# Altium PCB 10X SD CARD READER PCB.PcbDoc (part 2 of 4)
Units mm, origin at the board's own origin, x right, y up, seen from the top; angles counter-clockwise.
Board outline 157.35 x 86.61 mm, 6 copper layers (Top Layer, Int1_GND1, Int2 Sig1, Int3_PWR1, Int4_GND2, Bottom Layer), stack 1.538 mm thick; 309 components, 269 nets, 1221 pads, 584 vias.
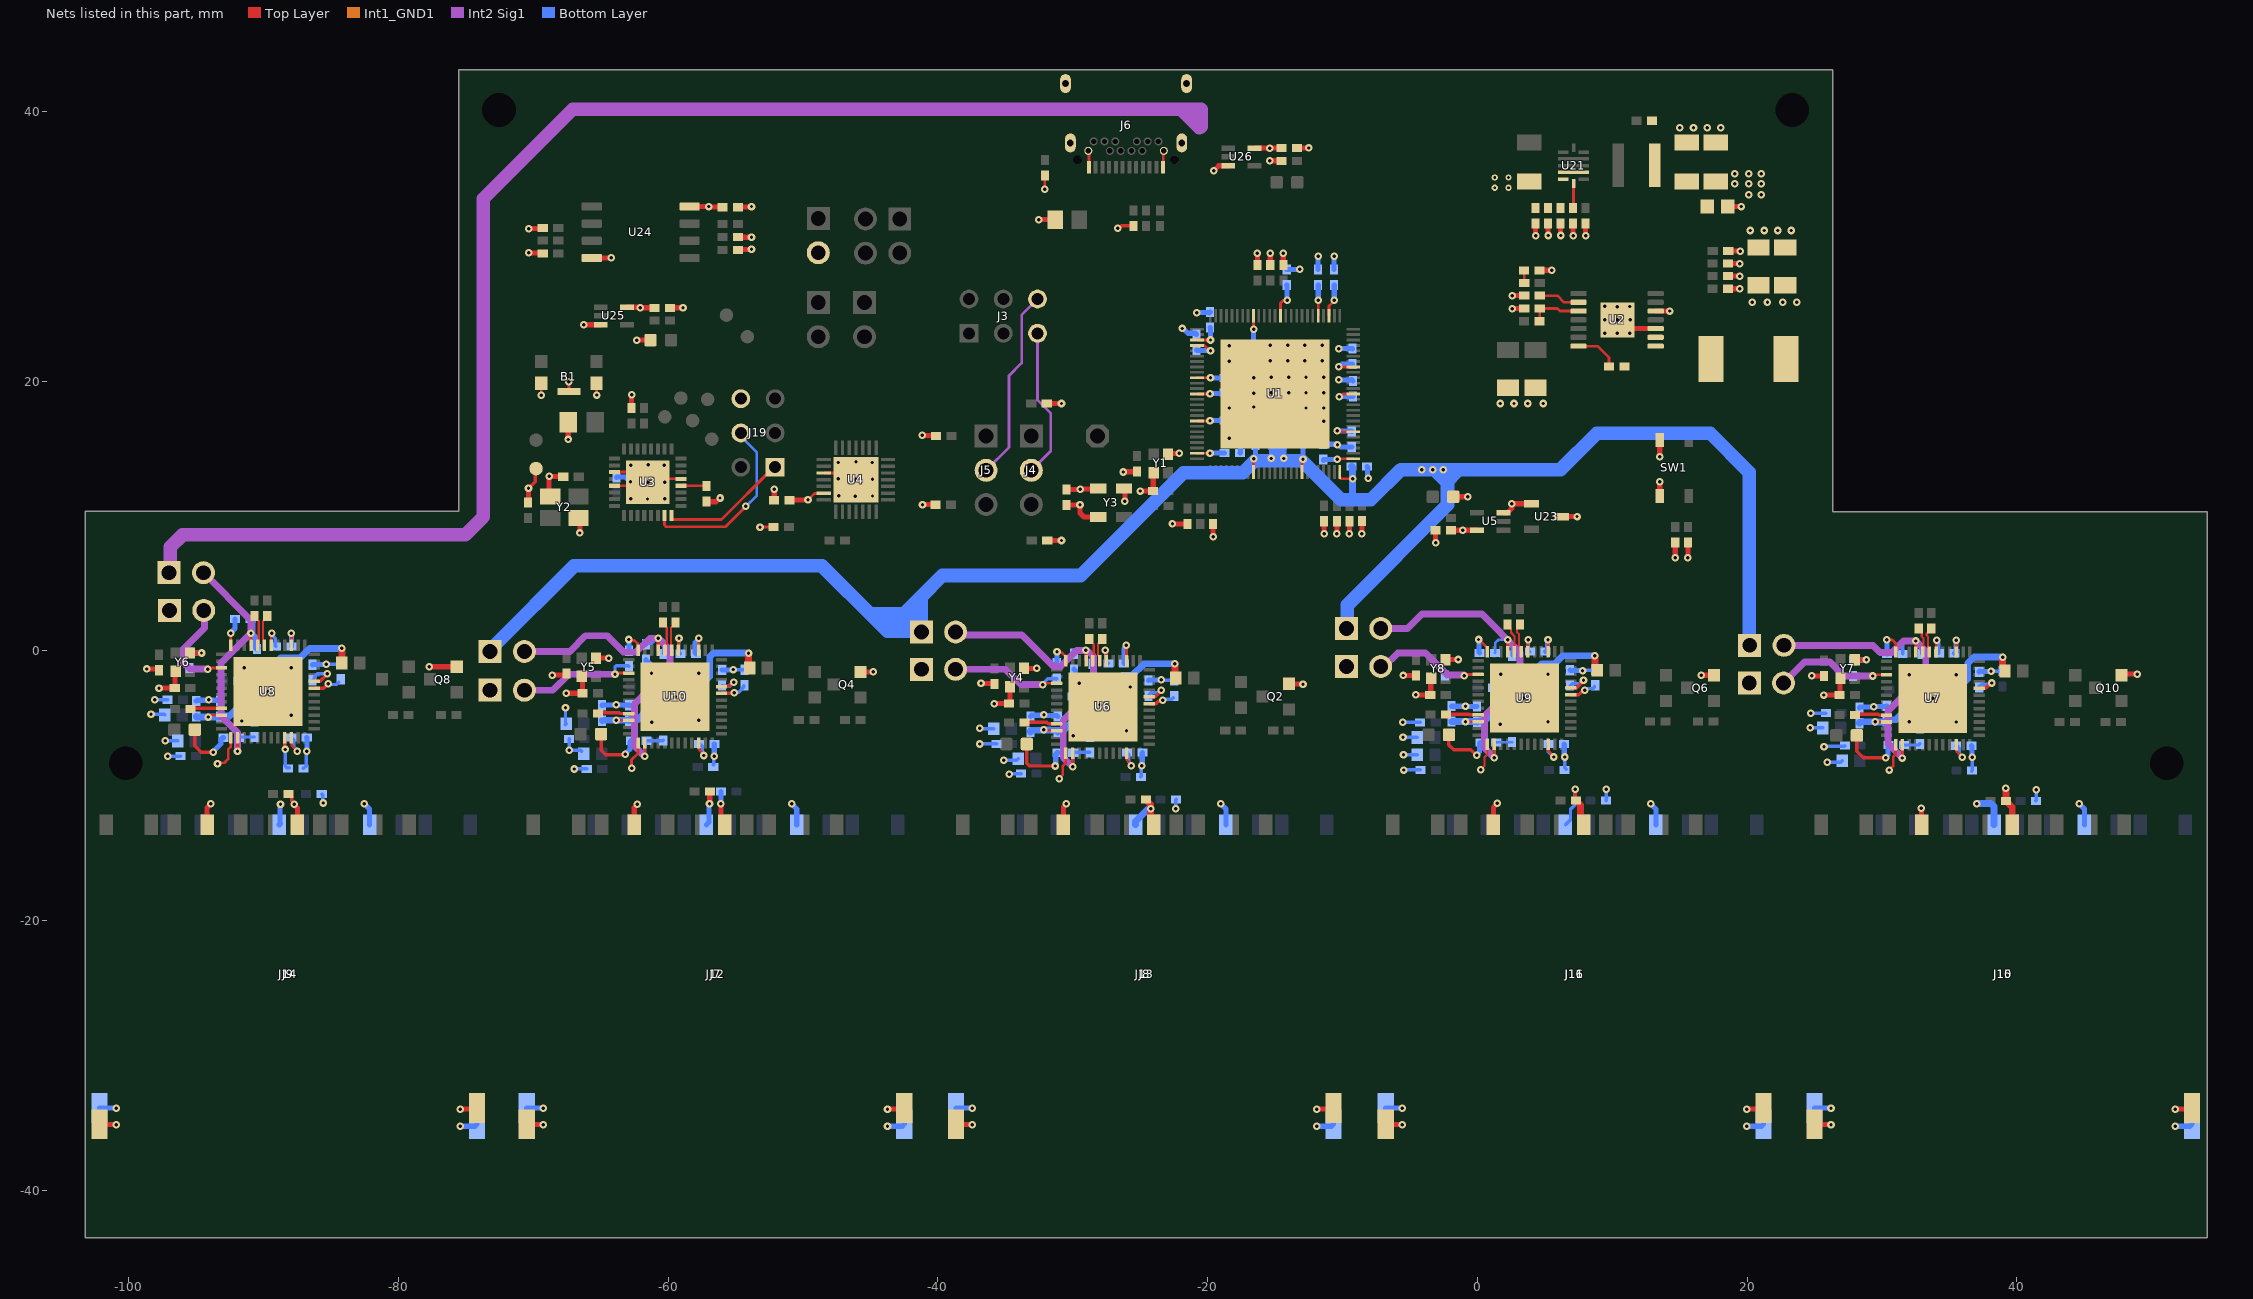
[diagram p6: the nets of this part, all layers, seen from the top]

## Via types
v1: diameter 0.559, hole 0.254, Top Layer to Bottom Layer, tented both sides, 572 vias
v2: diameter 0.457, hole 0.203, Top Layer to Bottom Layer, tented both sides, 12 vias

## Nets (pads, with @x,y where several pads share a name; then routed paths per layer and width w, separated by ;. In a path a pad name is that pad's centre, name@x,y a point inside that pad or via, vN(x,y) a via of type N, cw(c..) or ccw(c..) an arc to the next point about the centre after c; other vN are vias at no path point) (continued)
+1.2V: C9.2 C10.2 C11.2 C12.2 C13.2 C14.1 C15.1 C16.2 C17.2 C18.2 C20.2 C27.2 C36.2 C40.1 J24.1 J25.1 J26.1 J27.1 J29.1 L1.2 R32.2 R33.2 U1.9 U1.18 U1.25 U1.31 U1.38 U1.55 U1.78 U1.85 U1.93 | length 283.9
  Top Layer w0.203: U1.93@-20.792,17.047 -19.845,17.047 v1(-19.823,17.069) ; U1.85@-20.792,20.247 v1(-19.787,20.247) ; U1.78@-20.792,23.047 v1(-19.787,23.047) ; U1.9@-16.601,13.256 -16.601,14.216 v1(-16.569,14.247) ; U1.18@-13.001,13.256 -13.001,14.144 v1(-12.929,14.216) ; U1.55@-11.801,24.839 -11.801,25.98 v1(-11.786,25.995) ; v1(-10.389,16.307) -10.329,16.247 U1.31@-9.21,16.247 ; v1(-10.243,18.847) -10.147,18.847 -9.947,19.047 U1.38@-9.21,19.047 ; U1.25@-10.201,13.256 -10.201,12.85 -10.102,12.751 v1(-9.246,12.751)
  Top Layer w0.381: R32.2@4.315,31.674 4.315,30.796 v1(4.319,30.792) ; C40.1@6.171,31.677 6.171,30.799 v1(6.175,30.795)
  Int2 Sig1 w1.016: J24.1@-97.003,5.791 -96.916,5.877 -96.916,7.697 -96.019,8.595 -75.047,8.595 -73.711,9.931 -73.711,33.518 -67.071,40.157 -21.996,40.157 ; -20.625,38.786 -21.996,40.157 ; -20.523,38.837 -20.498,38.862 -20.498,40.157 ; -20.472,40.132 -20.498,40.157 ; -21.996,40.157 -20.498,40.157
  Bottom Layer w0.381: v1(-19.823,17.069) -19.812,17.08 -18.747,17.08 C9.2@-18.736,17.091 ; C10.2@-19.809,23.962 -19.798,23.951 -19.798,23.059 v1(-19.787,23.047) ; v1(-19.787,20.247) -19.774,20.234 -18.745,20.234 C14.1@-18.732,20.221 ; v1(-16.569,14.247) -16.569,14.295 -16.462,14.403 C15.1@-16.462,15.249 ; v1(-15.266,14.262) -15.266,15.097 -14.882,15.482 C18.2@-14.825,15.482 -14.725,15.482 -14.34,15.097 v1(-14.34,14.262) ; C16.2@-12.951,15.403 -12.94,15.392 -12.94,14.227 v1(-12.929,14.216) ; C13.2@-11.808,27.137 -11.797,27.126 -11.797,26.006 v1(-11.786,25.995) ; v1(-10.389,16.307) -10.371,16.289 -9.333,16.289 C12.2@-9.315,16.272 ; v1(-10.243,18.847) C11.2@-9.232,18.847
  Bottom Layer w0.508: C17.2@-9.338,13.662 -9.301,13.662 -9.255,13.616 -9.255,12.761 v1(-9.246,12.751) -9.246,11.278 -9.169,11.201 -9.068,11.1
  Bottom Layer w1.016: J26.1@-73.203,-0.051 -72.861,0.291 -72.861,0.418 -66.98,6.299 -48.59,6.299 -44.539,2.248 ; -44.958,2.743 -42.52,2.743 -41.224,4.039 ; -42.316,2.591 -41.859,3.048 -41.224,3.048 ; -41.529,2.286 -41.567,2.248 -44.539,2.248 ; J25.1@-41.25,1.448 -43.739,1.448 -44.539,2.248 ; J25.1@-41.224,1.397 -41.224,3.048 ; C18.2@-14.935,15.138 -14.91,15.113 -14.91,14.097 ; J27.1@-9.677,1.448 -9.636,1.489 -9.636,3.407 -2.21,10.833 -2.21,12.598 ; -1.524,13.284 -2.21,12.598 ; J29.1@20.168,0.533 20.168,13.233 17.272,16.129 8.865,16.129 6.172,13.437 v1(-2.54,13.437) ; -41.224,3.048 -41.224,4.039 ; -41.224,4.039 -39.675,5.588 -29.413,5.588 -21.793,13.208 -17.399,13.208 -16.51,14.097 -14.91,14.097 ; -14.91,14.097 -13.005,14.097 -10.109,11.201 -9.169,11.201 -7.9,11.201 -5.664,13.437 v1(-4.128,13.437) v1(-3.311,13.437) v1@-3.2,13.437 ; v1@-3.2,13.437 -2.337,12.573 -2.235,12.573 -2.21,12.598 ; v1@-3.2,13.437 v1(-2.54,13.437) ; v1(-2.54,13.437) -2.21,13.106 -2.21,12.598
  other v1: 20.117,33.833 21.057,33.833 19.101,34.62 20.117,34.62 21.057,34.62 19.101,35.382 20.117,35.382 21.057,35.382
+3.3V: C1.2 C2.2 C3.2 C4.2 C5.2 C6.2 C7.2 C8.2 C24.2 C41.2 C50.2 C52.2 C53.2 C63.1 C64.1 J20.1 J21.1 J22.1 J23.1 J28.1 L2.2 R9.2 R15.1 R17.2 R18.2 R28.2 R29.2 R30.2 R31.2 R36.2 R38.2 U1.26 U1.43 U1.53 U1.62 U1.67 U1.79 U1.88 U1.99 U5.5 U23.3 U24.8 U25.5 U26.5 Y3.1 Y3.4 | length 41
  Top Layer w0.203: U1.99@-20.792,14.647 -19.832,14.647 v1(-19.823,14.656) ; U1.88@-20.792,19.047 v1(-19.823,19.047) ; U1.79@-20.792,22.647 -20.223,22.647 -19.823,22.247 v1(-19.787,22.247) ; U1.67@-16.601,24.839 -16.601,23.879 v1(-16.569,23.847) ; U1.62@-14.601,24.839 -14.601,25.772 -14.378,25.995 v1(-14.108,25.995) ; U1.53@-11.001,24.839 -11.001,25.58 v1(-10.601,25.98) ; v1(-10.389,14.216) -10.357,14.247 U1.26@-9.21,14.247 ; v1(-10.277,21.051) -10.273,21.047 U1.43@-9.21,21.047
  Top Layer w0.381: v1(-70.333,29.515) -70.312,29.494 -69.365,29.494 -69.344,29.515 R18.2@-69.302,29.473 ; U25.5@-63.049,25.481 -63.039,25.471 -62.098,25.471 v1(-62.078,25.451) -62.066,25.44 -61.038,25.44 C53.2@-61.027,25.428 ; U24.8@-58.407,32.944 v1(-56.998,32.944) -56.971,32.917 -56.007,32.917 C52.2@-55.98,32.891 ; R17.2@-54.826,30.672 -54.812,30.658 -54.805,30.665 -53.83,30.665 v1(-53.823,30.658) ; v1(-41.143,10.841) -41.138,10.836 -40.197,10.836 R28.2@-40.193,10.832 ; R9.2@-31.893,8.193 -31.879,8.179 v1(-30.836,8.179) ; C24.2@-30.477,11.954 -30.459,11.971 -29.456,11.971 v1(-29.439,11.989) -29.422,12.006 -28.156,12.006 -28.139,11.989 Y3.1@-28.105,12.023 ; Y3.4@-26.2,12.023 -26.137,11.959 v1(-26.137,11.1) ; U26.5@-16.526,37.277 v1(-15.407,37.278) ; v1(-16.317,29.484) -16.313,29.48 R31.2@-16.313,28.602 ; v1(-15.407,36.339) -15.403,36.344 R36.2@-14.525,36.344 ; v1(-15.407,37.278) -15.403,37.282 C41.2@-14.525,37.282 ; v1(-15.36,29.484) -15.356,29.48 R30.2@-15.356,28.602 ; v1(-14.393,29.484) -14.388,29.48 R29.2@-14.388,28.602 ; C50.2@-1.947,8.941 v1(-1.09,8.941) U5.5@-0.02,8.941 ; U23.3@6.248,9.957 v1(7.391,9.957) ; v1(15.607,6.896) R15.1@15.607,8.038 ; R38.2@18.603,29.659 18.612,29.65 19.473,29.65 v1(19.482,29.642)
  Bottom Layer w0.381: v1(-29.439,11.989) v1@-29.405,11.955 ; v1@-26.171,11.134 v1(-26.137,11.1) v1@-26.103,11.134 ; C3.2@-20.825,22.311 -20.793,22.279 -19.818,22.279 v1(-19.787,22.247) ; v1(-19.823,14.656) -19.812,14.667 -18.747,14.667 C1.2@-18.736,14.678 ; v1(-19.823,19.047) -19.789,19.081 -18.799,19.081 C2.2@-18.736,19.145 ; C7.2@-16.611,22.622 -16.59,22.643 -16.59,23.826 v1(-16.569,23.847) ; C4.2@-14.13,27.137 -14.119,27.126 -14.119,26.006 v1(-14.108,25.995) ; C5.2@-11.41,14.124 -11.41,14.199 -10.405,14.199 v1(-10.389,14.216) ; C8.2@-10.623,27.137 -10.612,27.126 -10.612,25.991 v1(-10.601,25.98) ; v1(-10.277,21.051) -10.229,21.051 -10.02,21.26 C6.2@-9.246,21.26
  other v1: 20.371,25.832 21.514,25.832 22.657,25.832 23.673,25.832
GND: B1.1 B1.2 B1.5 C1.1 C2.1 C3.1 C4.1 C5.1 C6.1 C7.1 C8.1 C9.1 C10.1 C11.1 C12.1 C13.1 C14.2 C15.2 C16.1 C17.1 C18.1 C19.1 C20.1 C21.1 C22.2 C24.1 C25.2 C26.2 C27.1 C28.2 C29.2 C30.1 C31.1 C32.2 C33.2 C34.2 C36.1 C38.1 C39.2 C41.1 C43.1 C44.1 C45.1 C46.1 C47.1 C48.2 C49.2 C50.1 C51.1 C52.1 C53.1 C54.1 C55.1 C56.1 C57.1 C58.1 C59.1 C60.1 C61.1 C62.1 C63.2 C64.2 C65.1 C66.1 C67.1 C70.1 C71.1 C72.1 C73.1 C74.1 C75.1 C76.1 C77.1 C78.1 C79.1 C80.1 C81.1 C82.1 C83.1 C84.1 C85.1 C86.1 C87.1 C88.1 C89.1 C90.1 C92.1 C94.1 C96.1 C98.1 C100.1 C102.2 C103.2 C104.2 C105.2 C106.1 C108.1 C109.1 C110.1 C111.1 C112.1 C113.1 C114.1 C115.1 C116.1 C117.1 C118.1 C119.1 C120.1 C121.1 C122.1 C123.1 C124.1 C125.1 C126.1 C127.1 C128.1 C129.1 C130.1 C131.1 C132.1 C133.1 C134.1 C135.1 C136.2 C137.2 C138.2 C139.2 C140.1 C141.1 C142.1 C143.1 C144.1 C145.1 C146.1 C147.1 C148.1 C149.1 C150.1 C151.1 C152.1 C153.1 C154.1 C155.1 C156.1 C157.1 C158.1 C159.1 C160.1 C161.1 D1.C D2.C D4.C D5.C D6.C D7.C D8.C GND.1 J1.2 J6.A1 J6.A12 J6.B1 J6.B12 J6.S1 J6.S2 J6.S3 J6.S4 J7.3 J7.6 J7.G1 J7.G2 J8.3 J8.6 J8.G1 J8.G2 J9.3 J9.6 J9.G1 J9.G2 J10.3 J10.6 J10.G1 J10.G2 J11.3 J11.6 J11.G1 J11.G2 J12.3 J12.6 J12.G1 J12.G2 J13.3 J13.6 J13.G1 J13.G2 J14.3 J14.6 J14.G1 J14.G2 J15.3 J15.6 J15.G1 J15.G2 J16.3 J16.6 J16.G1 J16.G2 J19.6 Q2.2 Q4.2 Q6.2 Q8.2 Q10.2 R1.2 R2.2 R3.2 R5.2 R6.1 R7.1 R8.1 R11.1 R14.1 R19.2 R20.2 R24.1 R25.1 R26.1 R27.1 R34.1 R35.2 R40.1 R41.1 R42.1 R68.1 R69.1 SW1.3 SW1.4 U1.101 U2.3 U2.5 U2.15 U3.3 U3.5 U3.21 U3.33 U4.3 U4.29 U5.3 U6.3 U6.12 U6.49 U7.3 U7.12 U7.49 U8.3 U8.12 U8.49 U9.3 U9.12 U9.49 U10.3 U10.12 U10.49 U21.4 U23.1 U24.4 U25.3 U26.3 Y1.2 Y1.4 Y2.2 Y2.4 Y3.2 Y4.2 Y4.4 Y5.2 Y5.4 Y6.2 Y6.4 Y7.2 Y7.4 Y8.2 Y8.4 | length 314
  Top Layer w0.203: U8.12@-92.434,0.415 -92.432,0.416 -92.432,1.301 v1(-92.431,1.302) ; v1(-87.937,1.306) -87.935,1.304 -87.935,0.416 U8.3@-87.934,0.415 ; v1(-69.411,18.941) B1.2@-69.411,19.853 ; B1.5@-67.361,19.228 v1(-67.361,19.964) ; v1(-65.311,18.966) B1.1@-65.311,19.853 ; U3.5@-63.983,12.243 -63.043,12.243 -62.793,12.493 v1(-62.793,12.536) ; U3.3@-63.983,13.259 -63.043,13.259 -62.781,13.52 v1(-62.781,13.747) ; v1(-62.923,0.838) -62.855,0.77 -62.489,0.77 -62.265,0.546 -62.265,0.062 U10.12@-62.236,0.034 ; v1(-60.256,12.513) -60.018,12.751 U3.21@-59.055,12.751 ; v1(-57.739,0.925) -57.738,0.923 -57.738,0.035 U10.3@-57.736,0.034 ; v1(-53.191,9.172) C22.2@-52.187,9.172 ; U4.3@-48.45,13.187 -47.65,13.187 -47.387,12.924 v1(-47.387,12.75) ; v1(-32.069,34.228) R69.1@-32.069,35.233 ; v1(-31.17,-0.083) -31.102,-0.151 -30.802,-0.151 -30.515,-0.438 U6.12@-30.515,-0.728 ; J6.B1@-28.848,37.07 -28.798,37.02 J6.A12@-28.798,35.86 ; v1(-26.028,0.409) -26.022,0.402 -26.022,-0.722 U6.3@-26.015,-0.728 ; J6.A1@-23.298,35.86 -23.298,37.02 J6.B12@-23.248,37.07 ; v1(0.088,0.839) 0.125,0.839 0.741,0.222 U9.12@0.741,-0.068 ; v1(5.238,0.823) 5.24,0.822 5.24,-0.066 U9.3@5.241,-0.068 ; v1(30.37,0.813) 30.385,0.798 30.775,0.798 31.024,0.549 U7.12@31.024,-0.093 ; v1(35.521,0.798) 35.522,0.796 35.522,-0.092 U7.3@35.524,-0.093
  Top Layer w0.254: D4.C@-95.1,-5.842 -95.1,-7.034 -94.618,-7.515 v1(-93.739,-7.515) ; C59.1@-88.147,-10.614 -88.078,-10.614 -87.905,-10.787 -87.905,-11.123 -87.757,-11.271 v1@-87.757,-11.354 ; v1(-70.358,12.04) -69.848,12.549 -69.848,13.308 GND.1@-69.926,13.386 ; D6.C@-64.975,-6.172 -64.972,-6.175 -64.972,-7.36 -64.636,-7.696 -63.271,-7.696 v1@-63.246,-7.722 ; D5.C@-33.403,-6.909 -33.403,-8.329 -33.192,-8.54 v1(-31.293,-8.54) ; v1(-26.67,31.318) -26.575,31.318 -26.387,31.506 R68.1@-25.496,31.506 ; v1@-24.237,-11.811 -24.222,-11.796 v1(-24.222,-11.726) ; D7.C@-2.11,-6.223 D7.C@-2.108,-6.225 ; D7.C@-1.923,-6.41 D7.C@-2.108,-6.225 ; v1@-0.102,-7.722 -0.492,-7.331 -1.762,-7.331 -2.108,-6.985 D7.C@-2.108,-6.225 ; v1(7.264,-10.262) 7.264,-11.055 C61.1@7.306,-11.097 ; D8.C@28.141,-6.274 28.141,-7.44 28.626,-7.925 v1(30.277,-7.925) ; v1(39.167,-10.185) v1@39.199,-10.218 ; J15.3@39.644,-12.624 39.66,-12.624 J15.3@39.776,-12.624
  Top Layer w0.381: J14.G1@-102.167,-35.1 -102.139,-35.128 v1(-100.94,-35.128) ; v1(-98.667,-1.346) -98.655,-1.358 -97.792,-1.358 -97.78,-1.346 C103.2@-97.756,-1.371 ; v1(-97.756,-2.77) -97.753,-2.768 -96.608,-2.768 -96.605,-2.77 -96.563,-2.728 -96.563,-1.551 Y6.2@-96.525,-1.513 ; Y6.4@-95.475,-0.163 Y6.4@-95.462,-0.163 v1(-94.603,-0.163) ; J14.6@-94.192,-12.9 -94.192,-11.639 -93.929,-11.377 v1(-93.929,-11.328) ; v1@-88.782,-11.345 v1(-88.748,-11.379) ; v1(-87.732,-11.379) -87.732,-11.427 -87.492,-11.667 J14.3@-87.492,-12.9 ; v1(-77.724,-1.194) -77.716,-1.185 -75.688,-1.185 Q8.2@-75.68,-1.177 ; v1(-75.413,-33.985) -74.252,-33.985 J14.G2@-74.167,-33.9 ; J12.G1@-70.49,-35.1 -70.462,-35.128 v1(-69.263,-35.128) ; C33.2@-70.38,10.989 -70.358,11.011 -70.369,11.022 -70.369,12.028 v1(-70.358,12.04) ; v1(-70.333,31.293) -70.299,31.327 -69.404,31.327 -69.37,31.293 R20.2@-69.302,31.361 ; Y2.4@-68.741,11.443 -68.834,11.536 v1(-68.834,12.929) -68.823,12.917 -67.817,12.917 -67.805,12.929 C32.2@-67.783,12.906 ; v1(-68.606,-1.825) -68.572,-1.791 -67.598,-1.791 C102.2@-67.558,-1.752 ; v1(-67.558,-3.151) -67.556,-3.149 -66.41,-3.149 -66.408,-3.151 -66.365,-3.109 -66.365,-1.932 Y5.2@-66.327,-1.894 ; v1(-67.412,15.672) -67.412,16.926 C29.2@-67.396,16.942 ; Y2.2@-66.641,9.843 -66.548,9.75 v1(-66.548,8.738) ; v1(-66.269,24.181) U25.3@-64.999,24.181 ; U24.4@-65.667,29.134 v1(-64.237,29.134) ; Y5.4@-65.277,-0.544 v1(-64.405,-0.544) ; C30.1@-62.726,17.999 -62.713,18.012 -62.719,18.019 -62.719,18.967 v1(-62.713,18.974) ; J12.6@-62.515,-12.9 -62.515,-11.636 -62.306,-11.427 v1(-62.306,-11.379) ; v1(-62.332,23.038) D2.C@-61.313,23.038 ; C53.1@-59.877,25.428 -59.854,25.451 -59.843,25.44 -58.914,25.44 v1(-58.903,25.451) ; C31.1@-57.147,11.058 -56.46,11.058 -56.187,11.331 v1(-56.155,11.331) ; v1(-56.937,-11.331) -56.921,-11.315 -56.921,-10.453 C47.1@-56.905,-10.436 ; v1(-56.109,-11.328) -56.075,-11.362 -56.075,-12.641 J12.3@-55.815,-12.9 ; C52.1@-54.83,32.891 -54.777,32.944 -54.751,32.917 -53.849,32.917 v1(-53.823,32.944) ; R19.2@-54.826,29.722 -54.779,29.769 -54.755,29.745 -53.846,29.745 v1(-53.823,29.769) ; C34.2@-52.153,11.165 -52.137,11.181 -52.137,11.973 v1(-52.121,11.989) ; Q4.2@-45.751,-1.558 v1(-44.806,-1.558) ; v1(-43.736,-33.985) -42.575,-33.985 J12.G2@-42.49,-33.9 ; v1(-41.161,15.986) -41.138,15.963 -40.178,15.963 R8.1@-40.155,15.94 ; J13.G1@-38.667,-35.1 -38.639,-35.128 v1(-37.44,-35.128) ; v1(-36.805,-2.413) -36.784,-2.434 -35.876,-2.434 -35.855,-2.413 C49.2@-35.814,-2.454 ; v1(-35.837,-3.913) -35.834,-3.911 -34.688,-3.911 -34.686,-3.913 -34.643,-3.871 -34.643,-2.694 Y4.2@-34.606,-2.656 ; Y4.4@-33.556,-1.306 v1(-32.684,-1.306) ; v1(-32.537,31.979) -31.296,31.979 C21.1@-31.287,31.97 ; R7.1@-31.931,18.325 -31.917,18.339 -31.91,18.332 -30.843,18.332 v1(-30.836,18.339) ; J13.6@-30.692,-12.9 -30.692,-11.588 -30.48,-11.377 v1(-30.48,-11.328) ; C24.1@-30.477,10.804 -30.456,10.825 -29.485,10.825 v1(-29.464,10.846) -29.464,10.211 -29.176,9.923 Y3.2@-28.105,9.923 ; v1(-26.264,13.259) -26.243,13.279 -25.254,13.279 C25.2@-25.234,13.3 ; v1(-24.987,11.848) C26.2@-24.064,11.848 -24.029,11.882 -24.029,13.184 Y1.4@-23.995,13.219 ; Y1.2@-22.945,14.569 -22.892,14.622 -22.132,14.622 v1(-22.098,14.656) ; v1(-22.606,9.423) -22.592,9.409 -21.504,9.409 R11.1@-21.489,9.394 ; v1(-19.592,8.467) R5.2@-19.592,9.391 ; v1(-19.533,35.611) -19.176,35.967 -18.485,35.967 U26.3@-18.476,35.977 ; Q2.2@-13.958,-2.447 -13.916,-2.489 -13.895,-2.468 -12.95,-2.468 v1(-12.929,-2.489) ; C41.1@-13.375,37.282 -12.496,37.282 v1(-12.492,37.286) ; v1(-11.913,-33.985) -10.752,-33.985 J13.G2@-10.667,-33.9 ; v1(-11.362,8.687) R1.2@-11.362,9.61 ; v1(-10.416,8.687) R2.2@-10.416,9.61 ; v1(-9.483,8.687) R3.2@-9.483,9.61 ; v1(-8.559,8.69) R6.1@-8.559,9.614 ; J16.G1@-6.79,-35.1 -6.762,-35.128 v1(-5.563,-35.128) ; v1(-5.492,-1.828) -5.487,-1.824 -4.563,-1.824 C137.2@-4.558,-1.819 ; v1(-4.581,-3.253) -4.57,-3.263 -3.506,-3.263 C139.2@-3.496,-3.274 -3.458,-3.236 -3.458,-2.059 Y8.2@-3.421,-2.021 ; v1(-3.099,8.001) C50.1@-3.098,8.94 ; Y8.4@-2.3,-0.645 v1(-1.428,-0.645) ; D1.C@-1.787,11.426 v1(-0.707,11.426) ; J16.6@1.185,-12.9 1.185,-11.615 1.473,-11.327 v1(1.473,-11.303) ; U5.3@1.93,10.241 2.24,10.241 2.565,10.566 v1(2.565,10.907) U23.1@4.013,10.907 ; v1(2.594,25.374) 2.598,25.378 C65.1@3.476,25.378 ; v1(2.594,26.334) 2.598,26.338 C66.1@3.476,26.338 ; C67.1@4.617,28.211 4.626,28.219 4.63,28.215 5.508,28.215 v1(5.512,28.219) ; R34.1@5.242,31.677 5.242,30.799 v1(5.246,30.795) ; C39.2@7.101,31.674 7.101,30.796 v1(7.106,30.792) ; R35.2@8.026,31.674 8.026,30.796 v1(8.03,30.792) ; v1(10.386,24.543) 11.036,23.893 U2.3@13.218,23.893 ; U2.5@13.218,25.193 13.221,25.196 v1(14.275,25.196) ; SW1.4@13.53,11.489 v1(13.53,12.548) ; v1(13.53,14.393) SW1.3@13.53,15.639 ; v1(14.672,6.896) C51.1@14.672,8.038 ; v1(16.612,-1.803) 16.616,-1.808 17.534,-1.808 Q6.2@17.538,-1.812 ; C20.1@18.564,32.944 v1(19.583,32.944) ; R41.1@18.6,26.848 19.461,26.848 v1(19.47,26.839) ; R40.1@18.6,27.789 19.461,27.789 v1(19.47,27.78) ; R42.1@18.6,28.719 19.461,28.719 v1(19.47,28.71) ; v1(19.964,-33.985) 21.125,-33.985 J16.G2@21.21,-33.9 ; C64.2@20.839,29.913 C64.2@20.879,29.953 ; C63.2@22.784,30.009 22.84,29.952 C63.2@22.84,29.913 ; v1(24.79,-1.854) 24.803,-1.866 25.665,-1.866 25.677,-1.854 C136.2@25.702,-1.879 ; J15.G1@24.995,-35.1 25.023,-35.128 v1(26.222,-35.128) ; v1(25.702,-3.278) 25.704,-3.276 26.85,-3.276 26.852,-3.278 C138.2@26.857,-3.274 26.895,-3.236 26.895,-2.059 Y7.2@26.932,-2.021 ; Y7.4@27.982,-0.671 v1(28.854,-0.671) ; v1(32.918,-11.659) 32.944,-11.685 32.944,-12.874 J15.6@32.97,-12.9 ; Q10.2@47.764,-1.812 47.849,-1.727 v1(48.92,-1.727) ; v1(51.749,-33.985) 52.91,-33.985 J15.G2@52.995,-33.9
  Top Layer w0.508: C58.1@-24.571,-11.021 -24.496,-11.021 -24.45,-11.067 -24.45,-11.17 -24.237,-11.382 -24.237,-11.811 -24.237,-12.654 J13.3@-23.992,-12.9 ; C61.1@7.306,-11.097 7.381,-11.097 7.427,-11.143 7.427,-11.218 7.651,-11.442 7.651,-12.666 J16.3@7.885,-12.9 ; v1@39.199,-10.218 C60.1@39.199,-11.125 39.274,-11.125 39.32,-11.171 39.32,-11.246 39.66,-11.586 39.66,-12.624 J15.3@39.66,-12.89
  Bottom Layer w0.254: v1(-98.349,-4.717) -97.377,-4.717 C144.1@-97.34,-4.754 ; v1(-98.076,-3.634) -98.071,-3.629 C145.1@-97.121,-3.629 ; v1(-97.282,-6.68) -96.379,-6.68 C142.1@-96.375,-6.685 ; v1(-97.104,-7.823) -97.094,-7.813 -96.189,-7.813 -96.179,-7.823 C143.1@-96.157,-7.802 ; C131.1@-87.055,-8.715 -87.018,-8.715 -86.845,-8.542 -86.845,-7.521 v1@-86.766,-7.442 ; C44.1@-85.693,-10.617 -85.629,-10.681 -85.629,-11.226 v1(-85.57,-11.284) ; v1(-85.367,-1.007) -85.343,-0.983 -84.26,-0.983 C116.1@-84.252,-0.991 ; C146.1@-67.643,-5.486 C146.1@-67.571,-5.415 -67.615,-5.371 v1(-67.615,-4.216) ; v1@-67.35,-7.386 C149.1@-67.351,-6.535 ; v1(-67.349,-7.387) -66.476,-7.387 C152.1@-66.396,-7.468 ; v1(-66.954,-8.763) -66.941,-8.75 C155.1@-66.035,-8.75 ; C134.1@-56.667,-8.458 -56.646,-8.458 -56.625,-8.438 -56.625,-7.859 v1(-56.59,-7.823) ; v1(-55.169,-1.388) -55.161,-1.397 C127.1@-54.381,-1.397 ; v1(-36.906,-6.909) -36.896,-6.899 C157.1@-35.645,-6.899 ; v1(-36.906,-5.74) -36.871,-5.776 C154.1@-35.858,-5.776 ; v1(-35.103,-8.103) -34.14,-8.103 C148.1@-34.043,-8.006 ; v1(-34.696,-9.144) -34.661,-9.109 C151.1@-33.826,-9.109 ; C133.1@-24.952,-9.35 -24.915,-9.314 -24.915,-8.558 v1@-24.867,-8.509 ; v1(-23.448,-2.15) -23.426,-2.172 -22.517,-2.172 C117.1@-22.504,-2.159 ; v1(-22.378,-11.703) -22.355,-11.68 -22.355,-11.036 C43.1@-22.333,-11.013 ; v1(-5.537,-5.309) -5.535,-5.311 -4.245,-5.311 -4.243,-5.309 C150.1@-4.238,-5.313 ; v1(-5.512,-6.401) -4.478,-6.401 C147.1@-4.45,-6.428 ; v1(-5.477,-7.706) C153.1@-4.45,-7.706 ; v1(-5.461,-8.839) -5.453,-8.831 C156.1@-4.223,-8.831 ; v1(6.477,-7.874) 6.473,-7.878 6.473,-8.682 C135.1@6.579,-8.788 ; J11.3@6.535,-12.9 6.908,-12.527 6.908,-11.761 7.264,-11.405 v1(7.264,-10.262) ; v1@7.798,-1.499 7.853,-1.444 8.703,-1.444 C129.1@8.741,-1.406 ; C46.1@9.542,-11.103 9.557,-11.088 9.557,-10.291 v1(9.572,-10.275) ; v1(24.689,-5.69) 24.719,-5.72 C160.1@25.622,-5.72 ; v1(24.714,-4.623) 24.717,-4.62 C161.1@25.841,-4.62 ; v1(25.705,-7.112) 25.744,-7.072 27.223,-7.072 C159.1@27.263,-7.033 ; v1(25.959,-8.255) 26.947,-8.255 C158.1@27.044,-8.158 ; C141.1@36.652,-8.915 36.692,-8.875 36.692,-7.91 v1(36.703,-7.899) ; v1(38.09,-1.515) 38.094,-1.511 38.849,-1.511 C140.1@38.887,-1.549 ; C45.1@41.419,-11.128 41.453,-11.094 41.436,-11.077 41.436,-10.33 v1(41.453,-10.312)